# Altium PCB PiMX8MPIO_r0.1.PcbDoc (part 1 of 5) (continued)
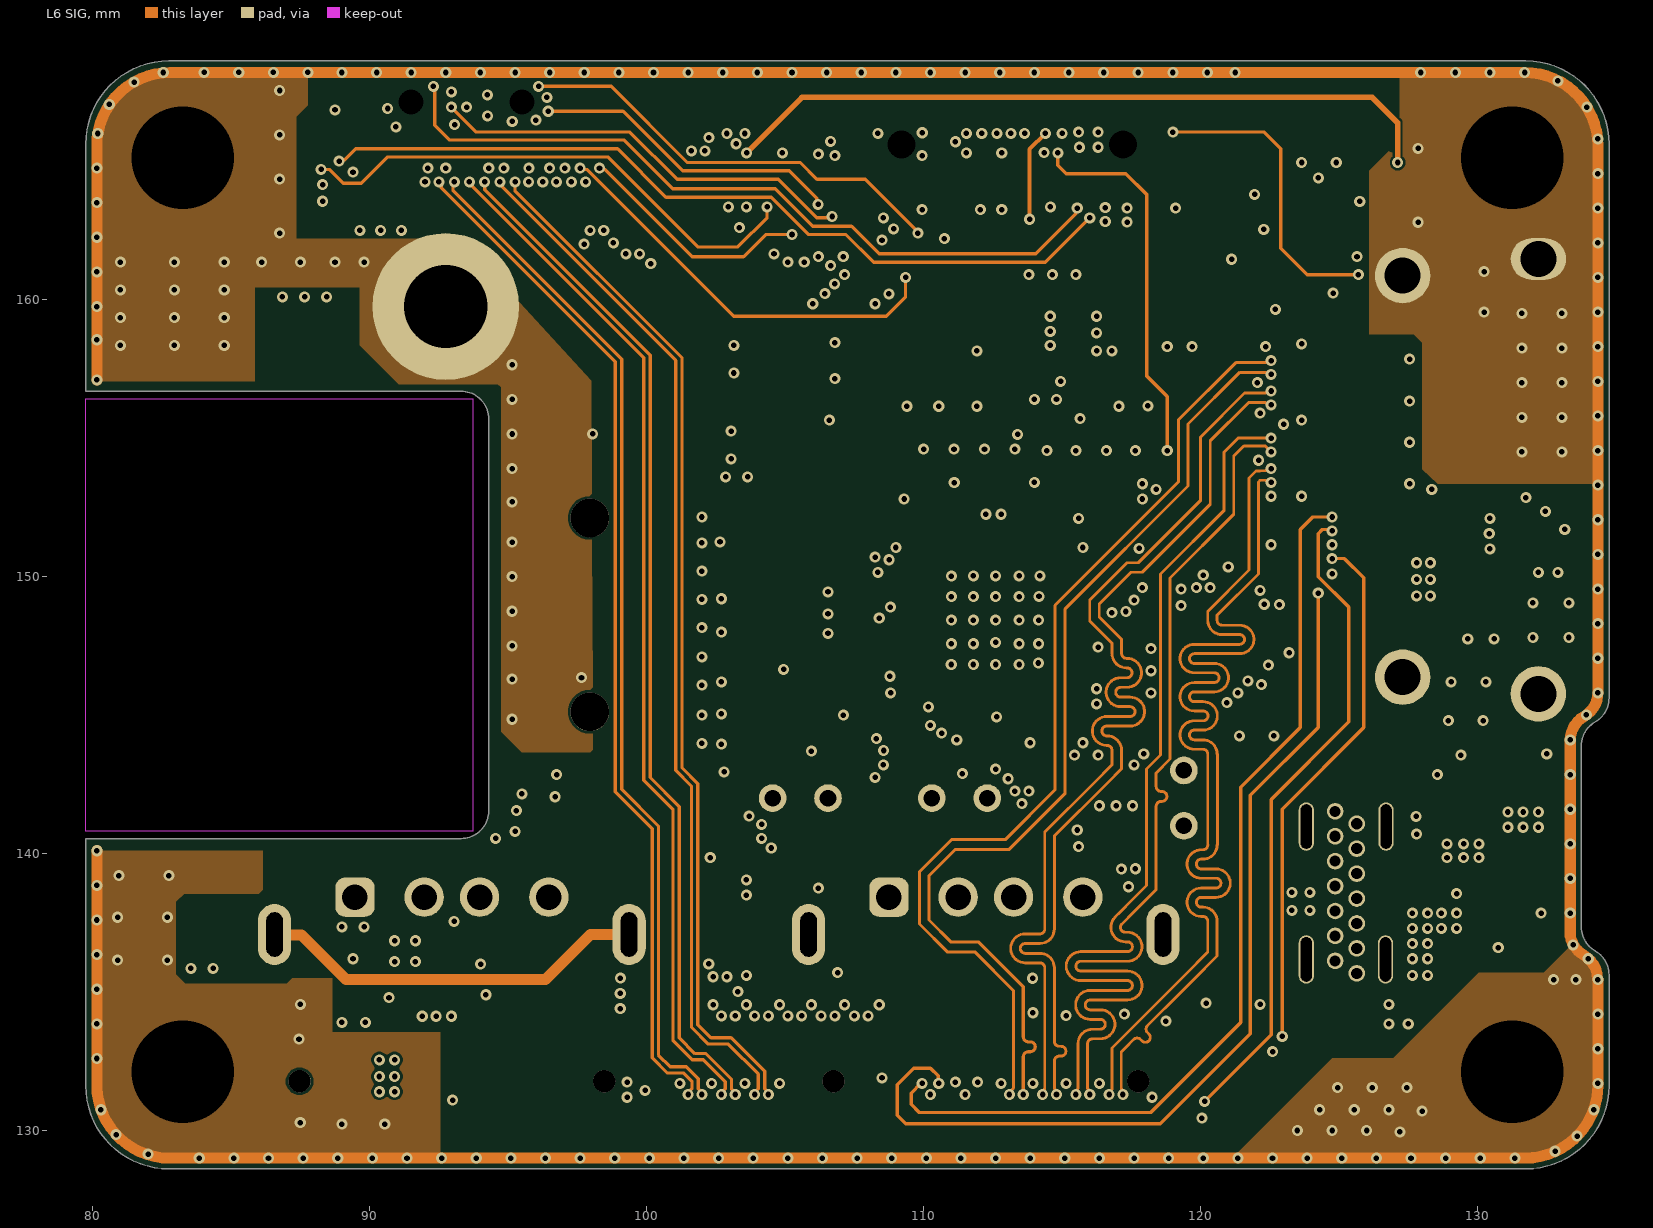
[diagram p6: L6 SIG]
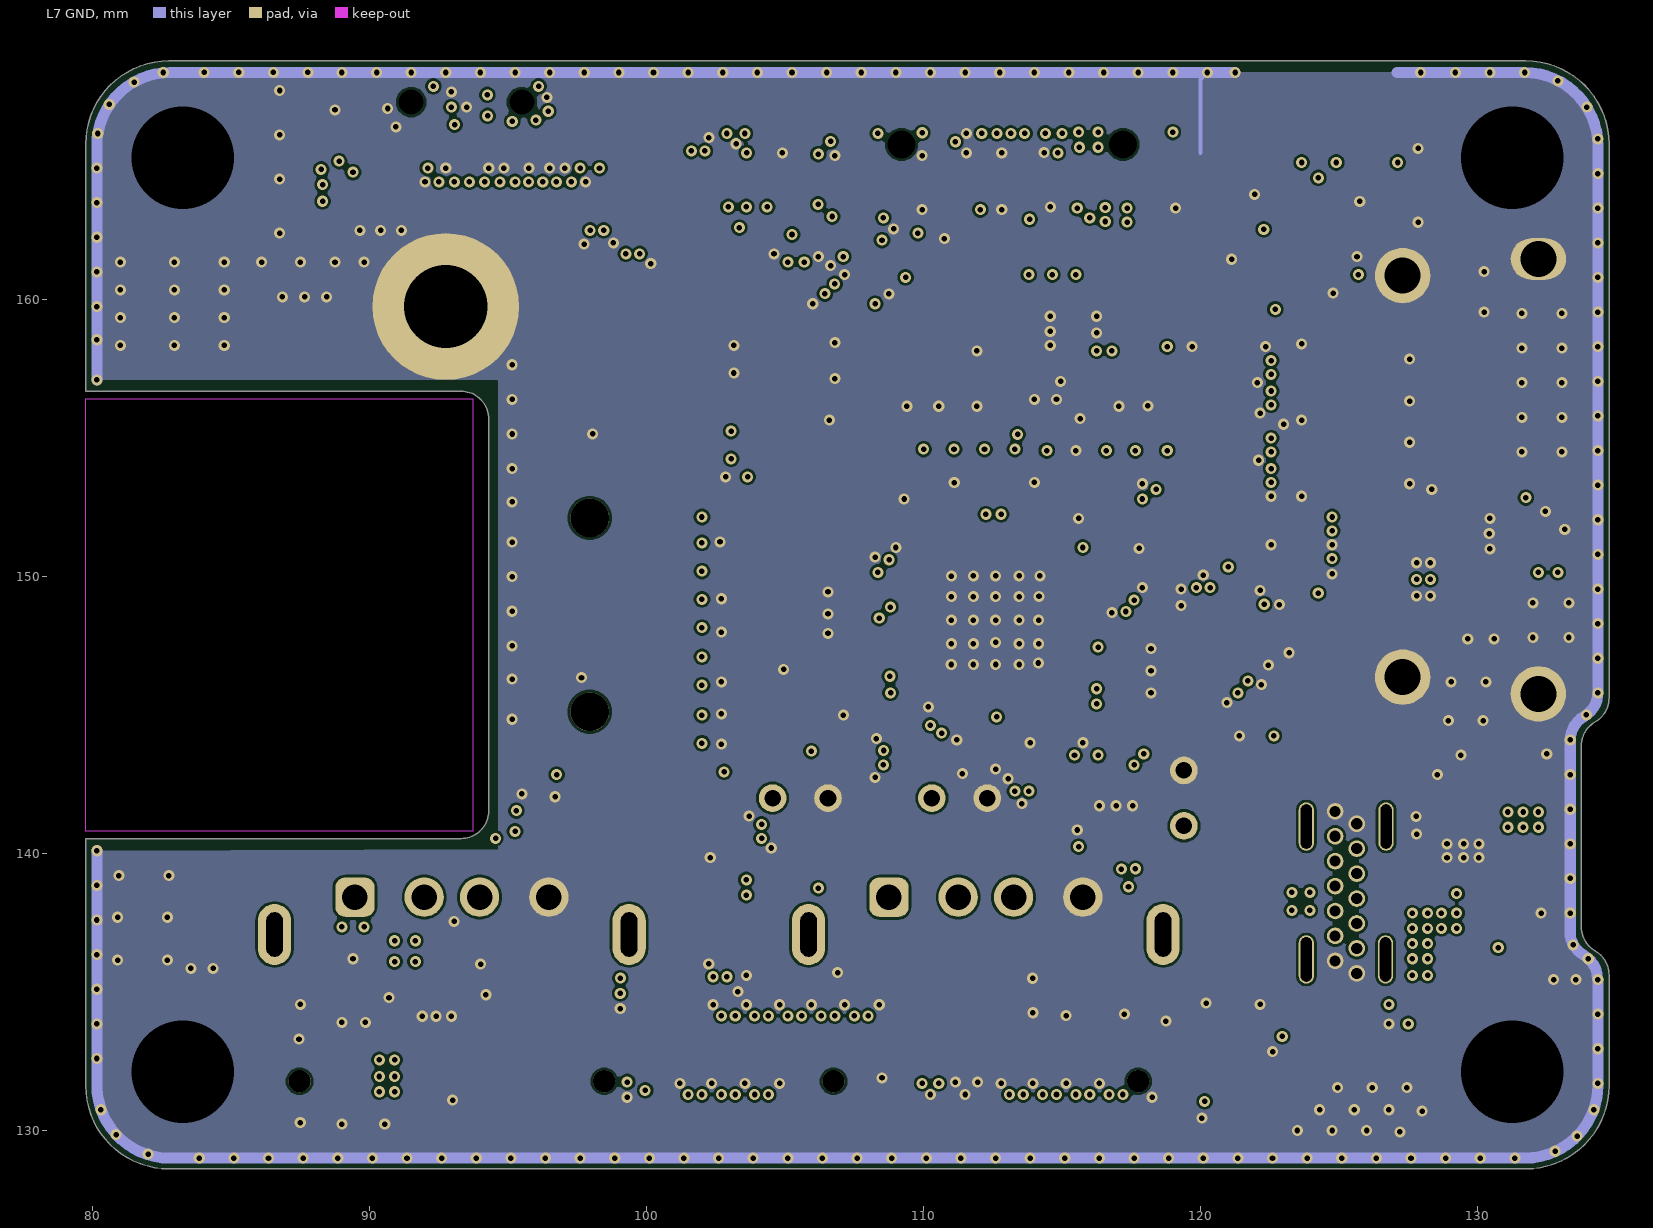
[diagram p7: L7 GND]

## Layer stack, top to bottom
Top Solder: solder mask 0.03, SM-001, Dk 3.8
L1 Top: signal copper 0.035
Dielectric 1: prepreg 0.0764, 1080 RC67% 3.3mil, Dk 3.91
L2 GND: signal copper 0.0152
Dielectric 2: core 0.1, 0.10mm H/HOZ without copper, Dk 4.36
L3 SIG: signal copper 0.0152
Dielectric 3: prepreg 0.2104, 7628, RC 49%, 8.6 mil, Dk 4.4
Dielectric 4: prepreg 0.084, 1080 RC67% 3.3mil, Dk 3.91
Dielectric 5: prepreg 0.2104, 7628, RC 49%, 8.6 mil, Dk 4.4
L4 GND: signal copper 0.0152
Dielectric 6: core 0.1, 0.10mm H/HOZ without copper, Dk 4.36
L5 (PWR): signal copper 0.0152
Dielectric 7: prepreg 0.2104, 7628, RC 49%, 8.6 mil, Dk 4.4
Dielectric 8: prepreg 0.084, 1080 RC67% 3.3mil, Dk 3.91
Dielectric 9: prepreg 0.2104, 7628, RC 49%, 8.6 mil, Dk 4.4
L6 SIG: signal copper 0.0152
Dielectric 10: core 0.1, 0.10mm H/HOZ without copper, Dk 4.36
L7 GND: signal copper 0.0152
Dielectric 11: prepreg 0.0764, 1080 RC67% 3.3mil, Dk 3.91
L8 SIG: signal copper 0.035
Bottom Solder: solder mask 0.03, SM-001, Dk 3.8

## Board outline
82.75,128.613 cw(c82.751,131.614) 79.75,131.613 79.75,140.538 93.3,140.538 ccw(c93.3,141.538) 93.961,140.788 ccw(c93.3,141.538) 94.3,141.538 94.3,155.688 ccw(c93.3,155.688) 93.961,156.437 ccw(c93.3,155.688) 93.3,156.688 79.75,156.688 79.75,165.613 cw(c82.751,165.611) 82.75,168.613 131.75,168.613 cw(c131.749,165.611) 134.75,165.613 134.75,145.613 cw(c133.75,145.612) 134.25,144.746 ccw(c134.75,143.88) 133.75,143.88 133.75,137.345 ccw(c134.75,137.345) 134.25,136.479 cw(c133.75,135.612) 134.75,135.613 134.75,131.613 cw(c131.749,131.614) 131.75,128.613

## Design rules (kind name [scope] priority, off if disabled: settings)
Clearance [All] p1: gap=0.09 ignorepadtopadclearanceinfootprint=FALSE
DiffPairsRouting DiffPairsRouting_100 [InDifferentialPairClass('DIFF100')] p1: maxlimit=0.3 minlimit=0.09 mostfreqgap=0.254 toplayer_prefgap=0.24 toplayer_minwidth=0.102 toplayer_maxwidth=0.109 toplayer_prefwidth=0.103 midlayer2_prefgap=0.24 midlayer2_minwidth=0.102 midlayer2_maxwidth=0.109 midlayer2_prefwidth=0.108 midlayer3_prefgap=0.24 midlayer3_minwidth=0.102 midlayer3_maxwidth=0.109 midlayer3_prefwidth=0.108 bottomlayer_prefgap=0.24 bottomlayer_minwidth=0.102 bottomlayer_maxwidth=0.109 bottomlayer_prefwidth=0.103 impedanceprofiledriven=TRUE impedanceprofileid={AD28FBC7-8EF6-41BF-84DA-0B9983716023} impedanceprofilevalue=100.000000 maxuncoupledlength=12.7
DiffPairsRouting DiffPairsRouting_90 [InDifferentialPairClass('DIFF90')] p2: maxlimit=0.254 minlimit=0.09 mostfreqgap=0.254 toplayer_maxgap=0.12 toplayer_prefgap=0.12 toplayer_minwidth=0.103 toplayer_maxwidth=0.103 toplayer_prefwidth=0.103 midlayer2_maxgap=0.11 midlayer2_prefgap=0.11 midlayer2_minwidth=0.102 midlayer2_maxwidth=0.102 midlayer2_prefwidth=0.102 midlayer3_maxgap=0.11 midlayer3_prefgap=0.11 midlayer3_minwidth=0.102 midlayer3_maxwidth=0.102 midlayer3_prefwidth=0.102 bottomlayer_maxgap=0.12 bottomlayer_prefgap=0.12 bottomlayer_minwidth=0.103 bottomlayer_maxwidth=0.103 bottomlayer_prefwidth=0.103 impedanceprofiledriven=TRUE impedanceprofileid={EF57195A-35D4-42EB-85F3-6353377DBB85} impedanceprofilevalue=90.000000 maxuncoupledlength=12.7
DiffPairsRouting DiffPairsRouting_85 [InDifferentialPairClass('DIFF85')] p3: maxlimit=0.254 minlimit=0.1 mostfreqgap=0.254 toplayer_mingap=0.11 toplayer_maxgap=0.11 toplayer_prefgap=0.11 toplayer_minwidth=0.114 toplayer_maxwidth=0.114 toplayer_prefwidth=0.114 midlayer2_mingap=0.11 midlayer2_maxgap=0.11 midlayer2_prefgap=0.11 midlayer2_minwidth=0.118 midlayer2_maxwidth=0.118 midlayer2_prefwidth=0.118 midlayer3_mingap=0.11 midlayer3_maxgap=0.11 midlayer3_prefgap=0.11 midlayer3_minwidth=0.118 midlayer3_maxwidth=0.118 midlayer3_prefwidth=0.118 bottomlayer_mingap=0.11 bottomlayer_maxgap=0.11 bottomlayer_prefgap=0.11 bottomlayer_minwidth=0.114 bottomlayer_maxwidth=0.114 bottomlayer_prefwidth=0.114 impedanceprofiledriven=TRUE impedanceprofileid={7773B389-02CE-4F27-8218-5E4484D61736} impedanceprofilevalue=85.000000 maxuncoupledlength=12.7
HoleSize [All] p1: absolutevalues=TRUE maxlimit=10 minlimit=0.2 maxpercent=80.000 minpercent=20.000
HoleToHoleClearance [All] p1: gap=0.2 allowstackedmicrovias=TRUE
MinimumSolderMaskSliver [All] p1: minsoldermaskwidth=0.04
PolygonConnect PolygonConnect_General [All] p1: connectstyle=Direct reliefconductorwidth=0.254 reliefentries=4 polygonreliefangle="90 Angle" airgapwidth=0.254
RoutingVias [All] p1 off: holewidth=0.711 width=1.27 viastyle="Through Hole" minholewidth=0.711 minwidth=1.27 maxholewidth=0.711 maxwidth=1.27
SilkToSolderMaskClearance [IsPad] p1: minsilkscreentomaskgap=0.1 clearancetoexposedcopper=TRUE
SolderMaskExpansion [All] p1: expansion=0.05 istentingtop=FALSE
SupplyNets "Schematic Supply Nets_4" [InNet('3V3')] p1: voltage=0.000
SupplyNets "Schematic Supply Nets_3" [InNet('GND')] p2: voltage=0.000
SupplyNets "Schematic Supply Nets_2" [InNet('1V8')] p3: voltage=0.000
SupplyNets "Schematic Supply Nets_1" [InNet('VBUS')] p4: voltage=0.000
SupplyNets "Schematic Supply Nets" [InNet('5V0')] p5: voltage=0.000
Width Width_S50 [InNetClass('SNGL_50')] p1: maxlimit=0.349 minlimit=0.118 preferedwidth=0.254 toplayer_maxwidth=0.118 toplayer_prefwidth=0.118 midlayer2_minwidth=0.126 midlayer2_maxwidth=0.126 midlayer2_prefwidth=0.126 midlayer3_minwidth=0.126 midlayer3_maxwidth=0.126 midlayer3_prefwidth=0.126 bottomlayer_maxwidth=0.118 bottomlayer_prefwidth=0.118 impedanceprofiledriven=TRUE impedanceprofileid={47A51F2C-6B67-4586-AF03-E5E7481D3992} impedanceprofilevalue=50.000000 minimp=50.000000 maximp=50.000000 favimp=50.000000
Width Width_General [All] p2: maxlimit=10 minlimit=0.09 preferedwidth=0.15
25 further rules are at their usual default settings.

## Classes and differential pairs
component class 01_BLOCK_DIAGRAM: H1 H2 H3 H4
net class PCM: PCM_MCLK PCM_RX_IN PCM_RX_SYNC PCM_TX_OUT PCM_TX_SYNC
differential pair class DIFF85: PCIE_CLK PCIE_RX PCIEC_TX
differential pair class DIFF100: CON_ETH_TRX0 CON_ETH_TRX1 CON_ETH_TRX2 CON_ETH_TRX3 CON_HDMI_CLK CON_HDMI_CLK_ESD CON_HDMI_ESD_TX1 CON_HDMI_ESD_TX2 CON_HDMI_TX0 CON_HDMI_TX0_ESD CON_HDMI_TX1 CON_HDMI_TX2 CSI_CLK CSI_D0 CSI_D1 CSI_D2 CSI_D3 ETH_TRX0 ETH_TRX1 ETH_TRX2 ETH_TRX3 HDMI_CLK HDMI_TX0 HDMI_TX1 HDMI_TX2
differential pair class DIFF90: MUX_USB USB_DS1 USB_DS1_CON USB_DS1_ESD USB_DS2 USB_DS2_CON USB_DS2_ESD USB_FPC1 USB_FPC2 USB_HSD1 USB_HSD2 USB_HSD2_CON USB_HSD2_ESD
net class USB: MUX_USB_N MUX_USB_P USB_FPC1_N USB_FPC1_P USB_FPC2_N USB_FPC2_P
net class SNGL_50: PCM_MCLK PCM_RX_IN PCM_RX_SYNC PCM_TX_OUT PCM_TX_SYNC SD_CD SD_CLK SD_CMD SD_DATA0 SD_DATA1 SD_DATA2 SD_DATA3
net class SD: SD_CD SD_CLK SD_CMD SD_DATA0 SD_DATA1 SD_DATA2 SD_DATA3
net class PCIe: PCIE_CLK_N PCIE_CLK_P PCIE_RX_N PCIE_RX_P PCIEC_TX_N PCIEC_TX_P
net class HDMI: HDMI_CEC HDMI_CLK_N HDMI_CLK_P HDMI_HPD HDMI_SCL HDMI_SDA HDMI_TX0_N HDMI_TX0_P HDMI_TX1_N HDMI_TX1_P HDMI_TX2_N HDMI_TX2_P
net class ETH: ETH_TRX0_N ETH_TRX0_P ETH_TRX1_N ETH_TRX1_P ETH_TRX2_N ETH_TRX2_P ETH_TRX3_N ETH_TRX3_P
net class CSI: CSI_CLK_N CSI_CLK_P CSI_D0_N CSI_D0_P CSI_D1_N CSI_D1_P CSI_D2_N CSI_D2_P CSI_D3_N CSI_D3_P
component class U_8_GBIT_ETHERNET: C39 C40 C41 C42 D16 D17 J11 R36 R37 R38
component class U_7_HDMI: C37 C38 D14 D15 J10 L4 L5 R35 U7
component class U_6_SD_CARD: C35 C36 D6 D7 D8 D9 D10 D11 D12 D13 J9 R28 R29 R30 R31 R32 R33 R34 U6
component class U_5_FPC_DB: H5 J8
component class U_4_USB_PWR: C1 C2 C3 C4 C5 C6 C7 C8 C9 C10 C11 C12 C13 C14 C15 C16 C17 C18 C19 C20 C21 C22 C23 C24 C25 C26 C27 C28 C29 C30 C31 C32 C33 C34 D1 D2 D3 D4 D5 J3 J4 J7 L1 L2 L3 Q1 R9 R10 R11 R12 R13 R14 R15 R16 R17 R18 R19 R20 R21 R22 R23 R24 R25 R26 R27 SW1 SW_ON U1 U2 U3 U4 U5 U8 U9 XTAL1
component class U_03_B2B_CON_P101-P200: J2
component class U_02_B2B_CON_P1-P100: J1 LED1 LED2 R1 R2 R3 R4 R5 R6 R7 R8
differential pair USB_DS2: +USB_DS2_P -USB_DS2_N
differential pair USB_FPC2: +USB_FPC2_P -USB_FPC2_N
differential pair USB_FPC1: +USB_FPC1_P -USB_FPC1_N
differential pair PCIEC_TX: +PCIEC_TX_P -PCIEC_TX_N
differential pair PCIE_RX: +PCIE_RX_P -PCIE_RX_N
differential pair PCIE_CLK: +PCIE_CLK_P -PCIE_CLK_N
differential pair HDMI_TX2: +HDMI_TX2_P -HDMI_TX2_N
differential pair HDMI_TX1: +HDMI_TX1_P -HDMI_TX1_N
differential pair HDMI_TX0: +HDMI_TX0_P -HDMI_TX0_N
differential pair HDMI_CLK: +HDMI_CLK_P -HDMI_CLK_N
differential pair ETH_TRX3: +ETH_TRX3_P -ETH_TRX3_N
differential pair ETH_TRX2: +ETH_TRX2_P -ETH_TRX2_N
differential pair ETH_TRX1: +ETH_TRX1_P -ETH_TRX1_N
differential pair ETH_TRX0: +ETH_TRX0_P -ETH_TRX0_N
differential pair USB_HSD2: +USB_HSD2_P -USB_HSD2_N
differential pair USB_HSD2_ESD: +USB_HSD2_ESD_P -USB_HSD2_ESD_N
differential pair USB_HSD2_CON: +USB_HSD2_CON_P -USB_HSD2_CON_N
differential pair USB_HSD1: +USB_HSD1_P -USB_HSD1_N
differential pair USB_DS2_ESD: +USB_DS2_ESD_P -USB_DS2_ESD_N
differential pair USB_DS2_CON: +USB_DS2_CON_P -USB_DS2_CON_N
differential pair USB_DS1: +USB_DS1_P -USB_DS1_N
differential pair USB_DS1_ESD: +USB_DS1_ESD_P -USB_DS1_ESD_N
differential pair USB_DS1_CON: +USB_DS1_CON_P -USB_DS1_CON_N
differential pair MUX_USB: +MUX_USB_P -MUX_USB_N
differential pair CSI_D3: +CSI_D3_P -CSI_D3_N
differential pair CSI_D2: +CSI_D2_P -CSI_D2_N
differential pair CSI_D1: +CSI_D1_P -CSI_D1_N
differential pair CSI_D0: +CSI_D0_P -CSI_D0_N
differential pair CSI_CLK: +CSI_CLK_P -CSI_CLK_N
differential pair CON_HDMI_TX0_ESD: +CON_HDMI_TX0_ESD_P -CON_HDMI_TX0_ESD_N
differential pair CON_HDMI_ESD_TX2: +CON_HDMI_ESD_TX2_P -CON_HDMI_ESD_TX2_N
differential pair CON_HDMI_ESD_TX1: +CON_HDMI_ESD_TX1_P -CON_HDMI_ESD_TX1_N
differential pair CON_HDMI_CLK_ESD: +CON_HDMI_CLK_ESD_P -CON_HDMI_CLK_ESD_N

## Components (designator, comment, footprint, x,y, rotation, side; value= is the part's Value field where it differs from the comment)
C1 "100µF 10V" CAP_RADIAL_5X8MM 119.4,141.996 r90 top
C2 "100nF 16V" CAPC1005X06L 130.35,138.046 r0 top
C3 "10µF 25V" CAPC1608X10L 131.55,142.896 r90 top
C4 "10µF 25V" CAPC1608X10L 130.35,142.896 r90 top
C5 "13pF 50V" CAPC1005X06L 127.8,139.596 r90 top
C6 "100nF 16V" CAPC1005X06L 121.85,147.796 r270 top
C7 "100nF 16V" CAPC1005X06L 121.5,135.596 r270 top
C8 "10µF 25V" CAPC1608X10L 117.25,144.346 r180 bottom
C9 "100µF 10V" CAP_RADIAL_5X8MM 111.3,141.996 r0 top
C10 "1.5nF 50V" CAPC1005X06L 107.75,135.491 r270 bottom
C11 "100nF 16V" CAPC1005X06L 108.55,135.491 r270 bottom
C12 "100nF 16V" CAPC1005X06L 124.7,163.596 r0 bottom
C13 "100nF 16V" CAPC1005X06L 103.95,136.596 r270 top
C14 "10µF 25V" CAPC1608X10L 92.3,131.896 r0 bottom
C15 "100µF 10V" CAP_RADIAL_5X8MM 105.55,141.996 r0 top
C16 "1.5nF 50V" CAPC1005X06L 89.85,134.796 r270 bottom
C17 "100nF 16V" CAPC1005X06L 89.051,134.797 r270 bottom
C18 "100nF 16V" CAPC1005X06L 83.55,136.946 r270 top
C19 "100nF 16V" CAPC1005X06L 117.2,153.146 r90 bottom
C20 "100nF 16V" CAPC1005X06L 107.5,148.646 r180 bottom
C21 "100nF 16V" CAPC1005X06L 107.5,149.446 r180 bottom
C22 "100nF 16V" CAPC1005X06L 117.301,147.418 r0 bottom
C23 "100nF 16V" CAPC1005X06L 107.5,147.846 r180 bottom
C24 "10pF 25V" CAPC0603X03L 122.6,147.596 r90 bottom
C25 "10pF 25V" CAPC0603X03L 121.3,149.446 r0 bottom
C26 "100nF 16V" CAPC1005X06L 123.7,159.746 r0 bottom
C27 "4.7µF 6.3V" CAPC1005X06L 111.804,153.146 r90 bottom
C28 "100nF 16V" CAPC1005X06L 112.603,153.146 r90 bottom
C29 "100nF 16V" CAPC1005X06L 113.404,153.146 r90 bottom
C30 "1µF 25V" CAPC1005X06L 107.9,145.646 r180 bottom
C31 "100nF 16V" CAPC1005X06L 117.3,145.796 r0 bottom
C32 "100nF 16V" CAPC1005X06L 117,150.446 r90 bottom
C33 "100nF 16V" CAPC1005X06L 107.9,146.446 r180 bottom
C34 "100nF 16V" CAPC1005X06L 112.625,144.096 r270 bottom
C35 "10µF 6.3V" CAPC1005X06L 114,157.096 r0 bottom
C36 "1µF 25V" CAPC1005X06L 115.75,156.796 r270 bottom
C37 "100nF 16V" CAPC1005X06L 130.6,148.796 r270 bottom
C38 "1µF 25V" CAPC1005X06L 132.45,151.296 r90 bottom
C39 "10nF 50V" CAPC1005X06L 103.25,152.946 r180 bottom
C40 "4.7µF 10V" CAPC1005X06L 86.85,159.146 r90 top
C41 "100nF 16V" CAPC1005X06L 88.45,159.146 r90 top
C42 "100nF 16V" CAPC1005X06L 87.65,159.146 r90 top
D1 "ESD8472MUT5G" DFN36P62X33-2L 129.05,136.269 r270 top
D2 "ESD8472MUT5G" DFN36P62X33-2L 88.45,165.724 r90 bottom
D3 "82400152" WE-TVS_SOT563 121.9,144.146 r180 bottom
D4 "82400152" WE-TVS_SOT563 114.6,142.096 r180 bottom
D5 "82400152" WE-TVS_SOT563 102,140.796 r90 bottom
D6 "TPD1E6B06" DFN38P60X29-2L 114,155.696 r90 bottom
D7 "TPD1E6B06" DFN38P60X29-2L 118.64,155.696 r180 bottom
D8 "TPD1E6B06" DFN38P60X29-2L 116.39,155.696 r180 bottom
D9 "TPD1E6B06" DFN38P60X29-2L 117.46,155.696 r180 bottom
D10 "TPD1E6B06" DFN38P60X29-2L 109.81,155.696 r180 bottom
D11 "TPD1E6B06" DFN38P60X29-2L 110.91,155.696 r180 bottom
D12 "TPD1E6B06" DFN38P60X29-2L 114.8,155.696 r90 bottom
D13 "TPD1E6B06" DFN38P60X29-2L 112.04,155.696 r180 bottom
D14 "TPD4E05U06" TI_DQA_10_Pin 123.65,151.146 r90 top
D15 "PESD5V5C1UL" DFN65P100X50-2N 129.65,148.796 r270 bottom
D16 "82400152" WE-TVS_DFN3810-9L 103.825,147.096 r90 top
D17 "82400152" WE-TVS_DFN3810-9L 103.825,151.446 r270 top
H1 "9774030951R" Spacer_SMD_Ø2.7mmx3mm_9774030951#1 83.25,132.112 r180 bottom
H2 "9774030951R" Spacer_SMD_Ø2.7mmx3mm_9774030951#1 131.25,132.112 r180 bottom
H3 "9774030951R" Spacer_SMD_Ø2.7mmx3mm_9774030951#1 83.25,165.112 r180 bottom
H4 "9774030951R" Spacer_SMD_Ø2.7mmx3mm_9774030951#2 131.25,165.112 r180 bottom
H5 "9774010243R" Spacer_SMD_M2x1_9774010243R 92.75,159.746 r0 top
J1 "DF40HC(3.0)-100DS-0.4V" "BOARD-TO-BOARD DF40HC(3.0)-100DS-0.4V" 109.75,165.612 r0 bottom locked
J2 "DF40HC(3.0)-100DS-0.4V" "BOARD-TO-BOARD DF40HC(3.0)-100DS-0.4V" 109.75,131.612 r0 bottom locked
J3 "10151348-00011LF" "USB TYPE C - 10151348-00011LF" 125.25,138.596 r0 top locked
J4 "614104190121" "USB Type A - 614104190121" 112.25,133.572 r0 top
J7 "614104190121" "USB Type A - 614104190121" 92.97,133.572 r0 top
J8 "20698-062E-01" "BOARD-TO-BOARD 62POL_20698-062E-01" 95.1,164.621 r180 top
J9 "MSD-4-A" "MICROSD CONNECTOR_MSD-4-A" 112.251,160.096 r180 top
J10 "SS-53000-001" HDMI-1.4_SS-53000-001 130.55,153.612 r90 top
J11 "7498111120AR" ETH-RJ45-7498111120AR 90.99,148.612 r270 top locked
L1 "90Ohm 100mA" WE-CNSW_0603 121.95,141.646 r90 bottom
L2 "90Ohm 100mA" WE-CNSW_0603 110.15,135.696 r90 bottom
L3 "90Ohm 100mA" WE-CNSW_0603 99.15,140.796 r0 bottom
L4 "PCMF2HDMI2S" NEXPERIA_PCMF2HDMI2S 123.65,157.096 r270 top
L5 "PCMF2HDMI2S" NEXPERIA_PCMF2HDMI2S 123.65,154.146 r270 top
LED1 "LTST-S270KGKT" "LED 0605_LTST-S270KRKT" 126.5,167.546 r180 bottom
LED2 "LTST-S270KRKT" "LED 0605_LTST-S270KRKT" 122.95,167.546 r180 bottom
Q1 "SSM3K15ACT,L3F" DFN65P100X50-3L 124.95,161.246 r270 bottom
R1 "64.9Ohm 1%" RESC1608X04L 125.8,165.846 r90 bottom
R2 "0Ohm 1%" RESC1005X04L 108.25,160.896 r0 bottom
R3 "0Ohm 1%" RESC1005X04L 113.8,161.946 r90 bottom
R4 "0Ohm 1%" RESC1005X04L 115.5,161.946 r270 bottom
R5 "0Ohm 1%" RESC1005X04L 114.65,161.946 r270 bottom
R6 "0Ohm 1%" RESC1005X04L 119.6,162.346 r90 bottom
R7 "0Ohm 1%" RESC1005X04L 120.45,162.346 r90 bottom
R8 "210Ohm 1%" RESC1608X04L 122.95,166.346 r180 bottom
R9 "47k 1%" RESC1005X04L 130.35,137.196 r180 top
R10 "620R 1%" RESC1005X04L 128.95,142.146 r0 top
R11 "47k 1%" RESC1005X04L 131.5,137.596 r270 top
R12 "330 1%" RESC1005X04L 120.701,135.597 r270 top
R13 "110k 1%" RESC1005X04L 115,135.896 r0 bottom
R14 "10k 1%" RESC1005X04L 122.75,162.646 r90 bottom
R15 "10k 1%" RESC1005X04L 123.1,163.796 r0 bottom
R16 "330 1%" RESC1005X04L 103.15,136.596 r270 top
R17 "10k 1%" RESC1005X04L 124.1,160.901 r90 bottom
R18 "10k 1%" RESC1005X04L 121.95,161.096 r270 bottom
R19 "10k 1%" RESC1005X04L 126.85,163.596 r0 bottom
R20 "110k 1%" RESC1005X04L 92.9,136.196 r180 bottom
R21 "33k 1%" RESC1005X04L 115.2,152.796 r180 bottom
R22 "33k 1%" RESC1005X04L 115.2,153.646 r180 bottom
R23 "33k 1%" RESC1005X04L 110.25,152.796 r0 bottom
R24 "10k 1%" RESC1005X04L 116.4,153.146 r90 bottom
R25 "330 1%" RESC1005X04L 84.35,136.946 r270 top
R26 "510k 1%" RESC0603X03L 119.216,147.921 r90 bottom
R27 "12k 1%" RESC1005X04L 117.3,146.596 r180 bottom
R28 "10k 1%" RESC1005X04L 112.2,157.096 r90 bottom
R29 "10k 1%" RESC1005X04L 111.1,157.096 r90 bottom
R30 "10k 1%" RESC1005X04L 110,157.096 r90 bottom
R31 "10k 1%" RESC1005X04L 117.65,157.096 r90 bottom
R32 "10k 1%" RESC1005X04L 116.6,157.096 r90 bottom
R33 "180k 1%" RESC1005X04L 112.2,158.846 r0 bottom
R34 "10k 1%" RESC1005X04L 118.8,157.096 r90 bottom
R35 "110k 1%" RESC1005X04L 128.35,152.096 r270 bottom
R36 "0Ohm 1%" RESC1005X04L 103.25,152.146 r0 bottom
R37 "1k 1%" RESC1005X04L 102.6,139.246 r0 top
R38 "1k 1%" RESC1005X04L 102.6,138.396 r0 top
SW1 "EVQ-P7J01P" SW_TACT_EVQ-P7J01P 124.25,167.12 r180 top
SW_ON "JS102000SAQN" SW_SLIDE-SWITCH_JS102000SAQN 93.5,166.946 r0 bottom (schematic designator SW_ON1)
U1 "TPS259533DSG" SON50P200X80_HS-9N 129.5,140.096 r90 top
U2 "FSUSB42UMX" "FSUSB42_UQFN10 1.4X1.8, 0.4P" 120.1,147.896 r270 top
U3 "TPS25221DRVR" SON65P200X80_HS-7N 116.95,141.721 r90 bottom
U4 "USB2514B-I/M2" QFN50P600X600X100_HS-37M 112.6,148.421 r90 bottom
U5 "TPS25221DRVR" SON65P200X80_HS-7N 92.4,134.121 r270 bottom
U6 "TPS25221DRVR" SON65P200X80_HS-7N 114.575,158.846 r0 bottom
U7 "TPS25221DRVR" SON65P200X80_HS-7N 130.425,151.546 r0 bottom
U8 "74AUP1G74GT,115" PSON50P100X50-8L 124.3,162.546 r270 bottom
U9 "74AUP1G14GM,115" PSON50P140X100X50-6L 123.05,160.996 r0 bottom
XTAL1 "ECS-240-12-37B-CKY-TR" XTAL_ECX-1637B_2X1.6X0.5 120.9,147.946 r180 bottom

## Footprints (in the part's own frame and the unit in brackets; to place one, negate y for a bottom-side part, rotate by r counter-clockwise, add the part's x,y. Pads: shape width x height; smd on the part's side, far side on the other; paste and mask are expansions set on the pad)
"BOARD-TO-BOARD 62POL_20698-062E-01" [mm] "High-speed board-to-board connector fully-shielded with power contacts, 0.35 mm pitch, 0.7 mm height"
  rect 0.2x0.45 smd: 1(-5.25,0.975) 2(-5.25,-0.975) 3(-4.9,0.975) 4(-4.9,-0.975) 5(-4.55,0.975) 6(-4.55,-0.975) 7(-4.2,0.975) 8(-4.2,-0.975) 9(-3.85,0.975) 10(-3.85,-0.975) 11(-3.5,0.975) 12(-3.5,-0.975) 13(-3.15,0.975) 14(-3.15,-0.975) 15(-2.8,0.975) 16(-2.8,-0.975) 17(-2.45,0.975) 18(-2.45,-0.975) 19(-2.1,0.975) 20(-2.1,-0.975) 21(-1.75,0.975) 22(-1.75,-0.975) 23(-1.4,0.975) 24(-1.4,-0.975) 25(-1.05,0.975) 26(-1.05,-0.975) 27(-0.7,0.975) 28(-0.7,-0.975) 29(-0.35,0.975) 30(-0.35,-0.975) 31(0,0.975) 32(0,-0.975) 33(0.35,0.975) 34(0.35,-0.975) 35(0.7,0.975) 36(0.7,-0.975) 37(1.05,0.975) 38(1.05,-0.975) 39(1.4,0.975) 40(1.4,-0.975) 41(1.75,0.975) 42(1.75,-0.975) 43(2.1,0.975) 44(2.1,-0.975) 45(2.45,0.975) 46(2.45,-0.975) 47(2.8,0.975) 48(2.8,-0.975) 49(3.15,0.975) 50(3.15,-0.975) 51(3.5,0.975) 52(3.5,-0.975) 53(3.85,0.975) 54(3.85,-0.975) 55(4.2,0.975) 56(4.2,-0.975) 57(4.55,0.975) 58(4.55,-0.975) 59(4.9,0.975) 60(4.9,-0.975) 61(5.25,0.975) 62(5.25,-0.975)
  rect 0.5x0.45 smd: P1(-5.775,0.975) P2(-5.775,-0.975) P3(5.775,0.975) P4(5.775,-0.975)
  rect 0.23x0.9 smd: SHD(-7.435,0) SHD(7.435,0)
  rect 0.5x0.23 smd: SHD(-6.245,-1.615) SHD(-6.245,1.615) SHD(6.245,-1.615) SHD(6.245,1.615)
  rect 0.22x0.28 smd: SHD(-5.425,-1.59) SHD(-5.425,1.59) SHD(-4.725,-1.59) SHD(-4.725,1.59) SHD(-3.675,-1.59) SHD(-3.675,1.59) SHD(-2.625,1.59) SHD(-2.625,-1.59) SHD(-1.575,1.59) SHD(-1.575,-1.59) SHD(-0.525,1.59) SHD(-0.525,-1.59) SHD(0.525,1.59) SHD(0.525,-1.59) SHD(1.575,1.59) SHD(1.575,-1.59) SHD(2.625,1.59) SHD(2.625,-1.59) SHD(3.675,-1.59) SHD(3.675,1.59) SHD(4.725,-1.59) SHD(4.725,1.59) SHD(5.425,-1.59) SHD(5.425,1.59)
  L1 Top region: -5.775,1.975 -6.025,2.475 -5.525,2.475
  silkscreen extent -7.45,-1.63 7.45,1.63, body extent -7.45,-1.63 7.45,1.63, height 0.58
"BOARD-TO-BOARD DF40HC(3.0)-100DS-0.4V" [mm] "Connector Mounting:Surface Mount; Contact Material:Phosphor Bronze Rohs Compliant: Yes"
  rect 0.2x1.14 smd: 1(-9.8,-1.32) 1(-9.8,-1.32) 2(-9.8,1.32) 2(-9.8,1.32) 3(-9.4,-1.32) 4(-9.4,1.32) 5(-9,-1.32) 6(-9,1.32) 7(-8.6,-1.32) 8(-8.6,1.32) 9(-8.2,-1.32) 10(-8.2,1.32) 11(-7.8,-1.32) 12(-7.8,1.32) 13(-7.4,-1.32) 14(-7.4,1.32) 15(-7,-1.32) 16(-7,1.32) 17(-6.6,-1.32) 18(-6.6,1.32) 19(-6.2,-1.32) 20(-6.2,1.32) 21(-5.8,-1.32) 22(-5.8,1.32) 23(-5.4,-1.32) 24(-5.4,1.32) 25(-5,-1.32) 26(-5,1.32) 27(-4.6,-1.32) 28(-4.6,1.32) 29(-4.2,-1.32) 30(-4.2,1.32) 31(-3.8,-1.32) 32(-3.8,1.32) 33(-3.4,-1.32) 34(-3.4,1.32) 35(-3,-1.32) 36(-3,1.32) 37(-2.6,-1.32) 38(-2.6,1.32) 39(-2.2,-1.32) 40(-2.2,1.32) 41(-1.8,-1.32) 42(-1.8,1.32) 43(-1.4,-1.32) 44(-1.4,1.32) 45(-1,-1.32) 46(-1,1.32) 47(-0.6,-1.32) 48(-0.6,1.32) 49(-0.2,-1.32) 50(-0.2,1.32) 51(0.2,-1.32) 52(0.2,1.32) 53(0.6,-1.32) 54(0.6,1.32) 55(1,-1.32) 56(1,1.32) 57(1.4,-1.32) 58(1.4,1.32) 59(1.8,-1.32) 60(1.8,1.32) 61(2.2,-1.32) 62(2.2,1.32) 63(2.6,-1.32) 64(2.6,1.32) 65(3,-1.32) 66(3,1.32) 67(3.4,-1.32) 68(3.4,1.32) 69(3.8,-1.32) 70(3.8,1.32) 71(4.2,-1.32) 72(4.2,1.32) 73(4.6,-1.32) 74(4.6,1.32) 75(5,-1.32) 76(5,1.32) 77(5.4,-1.32) 78(5.4,1.32) 79(5.8,-1.32) 80(5.8,1.32) 81(6.2,-1.32) 82(6.2,1.32) 83(6.6,-1.32) 84(6.6,1.32) 85(7,-1.32) 86(7,1.32) 87(7.4,-1.32) 88(7.4,1.32) 89(7.8,-1.32) 90(7.8,1.32) 91(8.2,-1.32) 92(8.2,1.32) 93(8.6,-1.32) 94(8.6,1.32) 95(9,-1.32) 96(9,1.32) 97(9.4,-1.32) 98(9.4,1.32) 99(9.8,-1.32) 100(9.8,1.32)